# KiCad board SweetBusiness.kicad_pcb (continued)
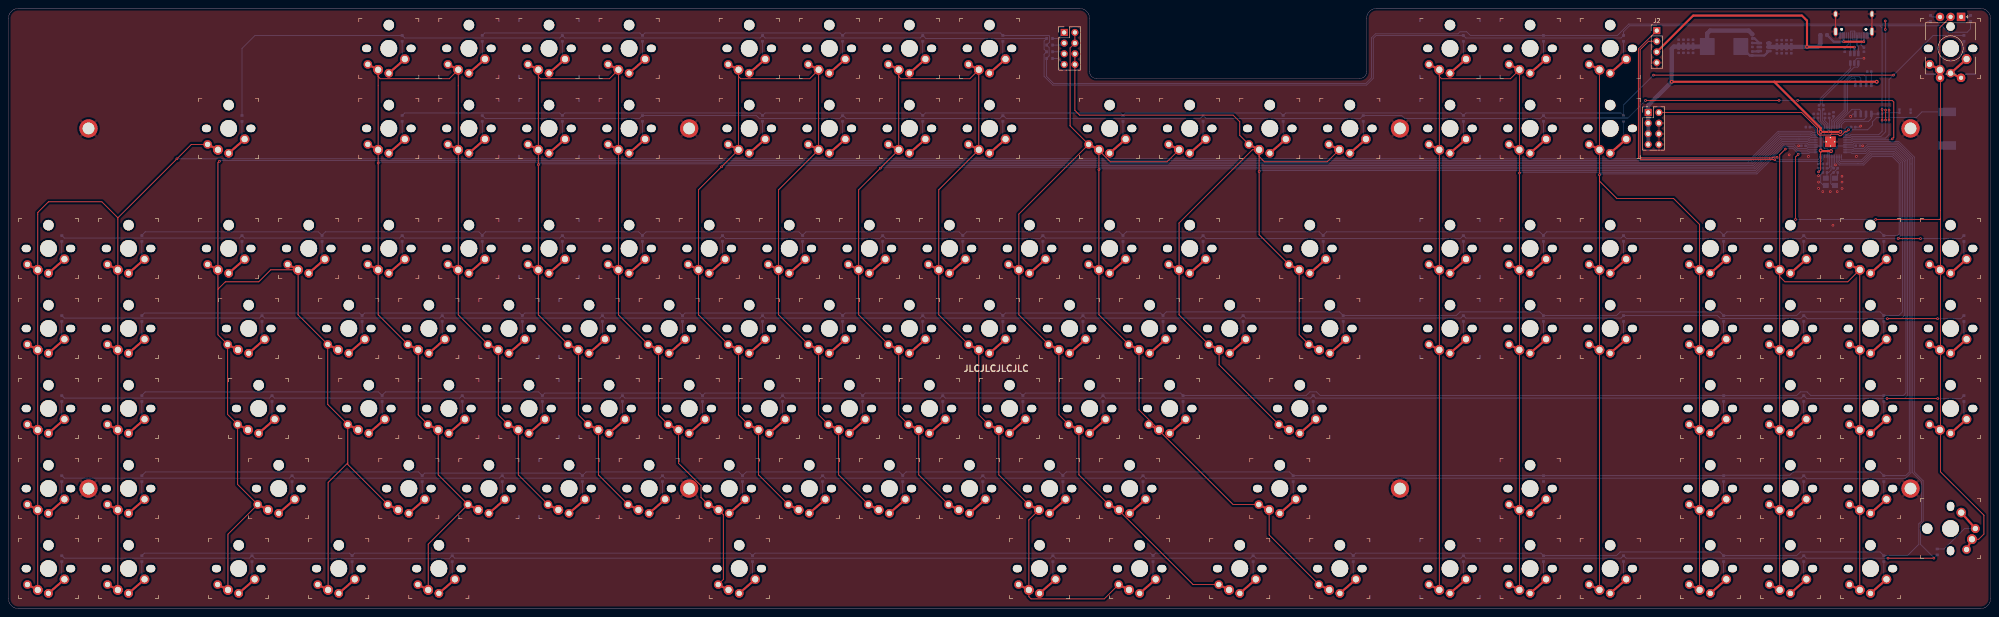
[diagram p0: board, top side]
## Nets
+1V1: C1.1 C2.1 U0.23 U0.45 U0.50
+3V3: C3.1 C4.1 C5.1 C6.1 C7.1 C8.1 C9.1 C10.1 C11.1 CF1.1 CP10.1 CP11.1 CP12.1 CP13.1 CP14.1 CP15.1 CP16.1 CP17.1 J3.1 J3.3 J3.5 J3.7 LP1.2 RP1.1 RR1.1 U0.1 U0.10 U0.22 U0.33 U0.42 U0.43 U0.44 U0.48 U0.49 U2.8
+5v: F1.1 J4.A4 J4.A9 J4.B4 J4.B9
GND: C1.2 C2.2 C3.2 C4.2 C5.2 C6.2 C7.2 C8.2 C9.2 C10.2 C11.2 CF1.2 CP2.1 CP3.1 CP4.1 CP5.1 CP6.1 CP7.1 CP8.1 CP9.1 CP10.2 CP11.2 CP12.2 CP13.2 CP14.2 CP15.2 CP16.2 CP17.2 CX1.2 CX2.1 H1.1 H2.1 H3.1 H4.1 H5.1 H6.1 H7.1 H8.1 J2.4 J3.4 J3.6 J3.8 J4.A1 J4.A12 J4.B1 J4.B12 J4.S1 RC1.1 RC2.2 RP2.2 S1.1 TX1.2 U0.19 U0.57 U1.2 U2.4 U3.2 Y1.2 Y1.4
VBUS: CP2.2 CP3.2 CP4.2 CP5.2 CP6.2 CP7.2 CP8.2 CP9.2 F1.2 J2.3 U1.4 U1.5 U3.5
1: TX1.1 U0.3
2: D1.1 D2.1 D4.1 D6.1 D8.1 D10.1 D12.1 DR2.1 DT1.1 DT3.1 U0.4
3: D3.1 D5.1 D7.1 D9.1 D11.1 DR3.1 DT2.1 DT4.1 U0.5
4: D13.1 D15.1 D17.1 D19.1 D21.1 D23.1 D25.1 D27.1 DR1.1 U0.6
5: D14.1 D16.1 D18.1 D20.1 D22.1 D24.1 D26.1 U0.7
6: D111.1 D113.1 D115.1 D117.1 D119.1 D121.1 D123.1 D125.1 D127.1 U0.8
7: D112.1 D114.1 D116.1 D118.1 D120.1 D122.1 D124.1 D126.1 U0.9
8: D93.1 D95.1 D97.1 D99.1 D101.1 D103.1 D105.1 D109.1 U0.11
9: D94.1 D96.1 D98.1 D100.1 D102.1 D104.1 D106.1 D107.1 D108.1 D110.1 U0.12
10: D74.1 D76.1 D78.1 D80.1 D82.1 D84.1 D86.1 D88.1 D90.1 D92.1 U0.13
11: D75.1 D77.1 D79.1 D81.1 D83.1 D85.1 D87.1 D89.1 D91.1 U0.14
12: D51.1 D53.1 D55.1 D57.1 D59.1 D61.1 D63.1 D65.1 D67.1 D69.1 D71.1 D73.1 U0.15
13: D52.1 D54.1 D56.1 D58.1 D60.1 D62.1 D64.1 D66.1 D68.1 D70.1 D72.1 U0.16
14: D28.1 D30.1 D32.1 D34.1 D36.1 D38.1 D40.1 D42.1 D44.1 D46.1 D48.1 D50.1 U0.17
15: D29.1 D31.1 D33.1 D35.1 D37.1 D39.1 D41.1 D43.1 D45.1 D47.1 D49.1 U0.18
18: K50.1 K73.1 K92.1 K127.1 RX1.1 RX1.C U0.29
19: K48.1 K49.1 K71.1 K72.1 K90.1 K91.1 K109.1 K110.1 K125.1 K126.1 U0.30
20: K12.1 K27.1 K46.1 K47.1 K69.1 K70.1 K89.1 K108.1 K123.1 K124.1 U0.31
21: K10.1 K11.1 K25.1 K26.1 K44.1 K45.1 K67.1 K68.1 K107.1 K121.1 K122.1 U0.32
22: J1.6 J1.8 K23.1 K24.1 K42.1 K43.1 K65.1 K66.1 K88.1 U0.34
23: J1.2 J1.4 K21.1 K22.1 K40.1 K41.1 K63.1 K64.1 K86.1 K87.1 K105.1 K106.1 K119.1 K120.1 U0.35
24: K8.1 K9.1 K19.1 K20.1 K38.1 K39.1 K61.1 K62.1 K84.1 K85.1 K103.1 K104.1 K117.1 K118.1 U0.36
25: K6.1 K7.1 K17.1 K18.1 K36.1 K37.1 K59.1 K60.1 K82.1 K83.1 K101.1 K102.1 U0.37
26/A0: K4.1 K5.1 K15.1 K16.1 K34.1 K35.1 K57.1 K58.1 K80.1 K81.1 K99.1 K100.1 K116.1 U0.38
27/A1: K2.1 K3.1 K13.1 K14.1 K32.1 K33.1 K55.1 K56.1 K78.1 K79.1 K97.1 K98.1 K115.1 U0.39
28/A2: K30.1 K31.1 K53.1 K54.1 K76.1 K77.1 K95.1 K96.1 K113.1 K114.1 U0.40
29/A3: K1.1 K28.1 K29.1 K51.1 K52.1 K74.1 K75.1 K93.1 K94.1 K111.1 K112.1 U0.41
CLOCK: U0.52 U2.6
CS: RF1.1 U0.56 U2.1
D+: J4.A6 J4.B6 U3.6
D-: J4.A7 J4.B7 U3.4
DB+: RD1.1 U3.1
DB-: RD2.1 U3.3
LED: J3.2 U0.2
SCL: J2.2 U0.28
SD0: U0.53 U2.5
SD1: U0.55 U2.2
SD2: U0.54 U2.3
SD3: U0.51 U2.7
SDA: J2.1 U0.27
XTAL+: CX1.1 U0.21 Y1.3
XTAL-: RX2.1 U0.20
Net-(CP1-Pad1): CP1.1 U1.1
Net-(CP1-Pad2): CP1.2 LP1.1 U1.6
Net-(CX2-Pad2): CX2.2 RX2.2 Y1.1
Net-(D1-Pad2): D1.2 K1.2
Net-(D2-Pad2): D2.2 K2.2
Net-(D3-Pad2): D3.2 K3.2
Net-(D4-Pad2): D4.2 K4.2
Net-(D5-Pad2): D5.2 K5.2
Net-(D6-Pad2): D6.2 K6.2
Net-(D7-Pad2): D7.2 K7.2
Net-(D8-Pad2): D8.2 K8.2
Net-(D9-Pad2): D9.2 K9.2
Net-(D10-Pad2): D10.2 K10.2
Net-(D11-Pad2): D11.2 K11.2
Net-(D12-Pad2): D12.2 K12.2
Net-(D13-Pad2): D13.2 K13.2
Net-(D14-Pad2): D14.2 K14.2
Net-(D15-Pad2): D15.2 K15.2
Net-(D16-Pad2): D16.2 K16.2
Net-(D17-Pad2): D17.2 K17.2
Net-(D18-Pad2): D18.2 K18.2
Net-(D19-Pad2): D19.2 K19.2
Net-(D20-Pad2): D20.2 K20.2
Net-(D21-Pad2): D21.2 K21.2
Net-(D22-Pad2): D22.2 K22.2
Net-(D23-Pad2): D23.2 K23.2
Net-(D24-Pad2): D24.2 K24.2
Net-(D25-Pad2): D25.2 K25.2
Net-(D26-Pad2): D26.2 K26.2
Net-(D27-Pad2): D27.2 K27.2
Net-(D28-Pad2): D28.2 K28.2
Net-(D29-Pad2): D29.2 K29.2
Net-(D30-Pad2): D30.2 K30.2
Net-(D31-Pad2): D31.2 K31.2
Net-(D32-Pad2): D32.2 K32.2
Net-(D33-Pad2): D33.2 K33.2
Net-(D34-Pad2): D34.2 K34.2
Net-(D35-Pad2): D35.2 K35.2
Net-(D36-Pad2): D36.2 K36.2
Net-(D37-Pad2): D37.2 K37.2
Net-(D38-Pad2): D38.2 K38.2
Net-(D39-Pad2): D39.2 K39.2
Net-(D40-Pad2): D40.2 K40.2
Net-(D41-Pad2): D41.2 K41.2
Net-(D42-Pad2): D42.2 K42.2
Net-(D43-Pad2): D43.2 K43.2
Net-(D44-Pad2): D44.2 K44.2
Net-(D45-Pad2): D45.2 K45.2
Net-(D46-Pad2): D46.2 K46.2
Net-(D47-Pad2): D47.2 K47.2
Net-(D48-Pad2): D48.2 K48.2
Net-(D49-Pad2): D49.2 K49.2
Net-(D50-Pad2): D50.2 K50.2
Net-(D51-Pad2): D51.2 K51.2
Net-(D52-Pad2): D52.2 K52.2
Net-(D53-Pad2): D53.2 K53.2
Net-(D54-Pad2): D54.2 K54.2
Net-(D55-Pad2): D55.2 K55.2
Net-(D56-Pad2): D56.2 K56.2
Net-(D57-Pad2): D57.2 K57.2
Net-(D58-Pad2): D58.2 K58.2
Net-(D59-Pad2): D59.2 K59.2
Net-(D60-Pad2): D60.2 K60.2
Net-(D61-Pad2): D61.2 K61.2
Net-(D62-Pad2): D62.2 K62.2
Net-(D63-Pad2): D63.2 K63.2
Net-(D64-Pad2): D64.2 K64.2
Net-(D65-Pad2): D65.2 K65.2
Net-(D66-Pad2): D66.2 K66.2
Net-(D67-Pad2): D67.2 K67.2
Net-(D68-Pad2): D68.2 K68.2
Net-(D69-Pad2): D69.2 K69.2
Net-(D70-Pad2): D70.2 K70.2
Net-(D71-Pad2): D71.2 K71.2
Net-(D72-Pad2): D72.2 K72.2
Net-(D73-Pad2): D73.2 K73.2
Net-(D74-Pad2): D74.2 K74.2
Net-(D75-Pad2): D75.2 K75.2
Net-(D76-Pad2): D76.2 K76.2
Net-(D77-Pad2): D77.2 K77.2
Net-(D78-Pad2): D78.2 K78.2
Net-(D79-Pad2): D79.2 K79.2
Net-(D80-Pad2): D80.2 K80.2
Net-(D81-Pad2): D81.2 K81.2
Net-(D82-Pad2): D82.2 K82.2
Net-(D83-Pad2): D83.2 K83.2
Net-(D84-Pad2): D84.2 K84.2
Net-(D85-Pad2): D85.2 K85.2
Net-(D86-Pad2): D86.2 K86.2
Net-(D87-Pad2): D87.2 K87.2
Net-(D88-Pad2): D88.2 K88.2
Net-(D89-Pad2): D89.2 K89.2
Net-(D90-Pad2): D90.2 K90.2
Net-(D91-Pad2): D91.2 K91.2
Net-(D92-Pad2): D92.2 K92.2
Net-(D93-Pad2): D93.2 K93.2
Net-(D94-Pad2): D94.2 K94.2
Net-(D95-Pad2): D95.2 K95.2
Net-(D96-Pad2): D96.2 K96.2
Net-(D97-Pad2): D97.2 K97.2
Net-(D98-Pad2): D98.2 K98.2
Net-(D99-Pad2): D99.2 K99.2
Net-(D100-Pad2): D100.2 K100.2
Net-(D101-Pad2): D101.2 K101.2
Net-(D102-Pad2): D102.2 K102.2
Net-(D103-Pad2): D103.2 K103.2
Net-(D104-Pad2): D104.2 K104.2
Net-(D105-Pad2): D105.2 K105.2
Net-(D106-Pad2): D106.2 K106.2
Net-(D107-Pad2): D107.2 K107.2
Net-(D108-Pad2): D108.2 K108.2
Net-(D109-Pad2): D109.2 K109.2
Net-(D110-Pad2): D110.2 K110.2
Net-(D111-Pad2): D111.2 K111.2
Net-(D112-Pad2): D112.2 K112.2
Net-(D113-Pad2): D113.2 K113.2
Net-(D114-Pad2): D114.2 K114.2
Net-(D115-Pad2): D115.2 K115.2
Net-(D116-Pad2): D116.2 K116.2
Net-(D117-Pad2): D117.2 K117.2
Net-(D118-Pad2): D118.2 K118.2
Net-(D119-Pad2): D119.2 K119.2
Net-(D120-Pad2): D120.2 K120.2
Net-(D121-Pad2): D121.2 K121.2
Net-(D122-Pad2): D122.2 K122.2
Net-(D123-Pad2): D123.2 K123.2
Net-(D124-Pad2): D124.2 K124.2
Net-(D125-Pad2): D125.2 K125.2
Net-(D126-Pad2): D126.2 K126.2
Net-(D127-Pad2): D127.2 K127.2
Net-(DR1-Pad2): DR1.2 RX1.2
Net-(DR2-Pad2): DR2.2 RX1.A
Net-(DR3-Pad2): DR3.2 RX1.B
Net-(DT1-Pad2): DT1.2 J1.1
Net-(DT2-Pad2): DT2.2 J1.3
Net-(DT3-Pad2): DT3.2 J1.5
Net-(DT4-Pad2): DT4.2 J1.7
Net-(J4-PadA5): J4.A5 RC2.1
Net-(J4-PadB5): J4.B5 RC1.2
Net-(RD1-Pad2): RD1.2 U0.47
Net-(RD2-Pad2): RD2.2 U0.46
Net-(RF1-Pad2): RF1.2 S1.2
Net-(RP1-Pad2): RP1.2 RP2.1 U1.3
Net-(RR1-Pad2): RR1.2 U0.26

Pads without a net: J4 A8 B8; U0 24 25

## Via types
v1: diameter 0.6, hole 0.3, Top to Bottom, 63 vias
v2: diameter 0.9, hole 0.45, Top to Bottom, 7 vias

## Routing (per net, layer and track width the routed paths; a pad name or vN(x,y) marks a point on that pad's centre or on a via; arc(x,y) is an arc through that point)
+1V1: length 16.4
  Bottom w0.2: C1.1 432.79,106.07 U0.23 432.79,109.34 432.59,109.54 431.96,109.54 431.81,109.68 431.81,112.6 431.91,112.7 ; U0.45 431.59,114.03 ; 431.59,114.03 431.91,113.71 431.91,112.7 ; 431.59,114.03 431.81,113.81 ; 431.91,112.7 433.44,112.7 433.46,112.71 433.47,112.7 433.59,112.82 U0.50 433.59,116.27 434.12,116.8 C2.1
+3V3: length 173.4
  Top w0.2: v2(431.06,109.02) 431.07,109.02 431.07,104.46 v1(430.56,103.95)
  Top w0.5: v2(433.54,108.9) 431.07,108.9 431.06,108.91 v2(431.06,109.02) ; 420.02,125.41 431.06,114.37 v2(431.06,113.47) v1(432.97,113.47) 435.74,113.47 v2(435.75,113.48) ; 420.02,125.41 v2(395.64,125.41) ; 420.02,125.41 v2(444.4,125.41)
  Bottom w0.2: U2.8 443.13,127.8 CF1.1 ; C10.1 437.29,114.62 436.82,114.15 U0.1 435.99,113.73 v2(435.75,113.48) ; v2(431.06,113.47) 430.79,113.75 U0.43 430.79,115.15 429.42,116.52 429.42,116.8 ; v2(431.06,113.47) 430.81,113.73 U0.42 429.95,114.09 429.42,114.62 C4.1 ; v2(431.06,113.47) 431.19,113.6 U0.44 431.19,115.33 430.43,116.08 430.43,116.8 ; 433.1,116.8 433.19,116.71 U0.49 433.19,113.69 v1(432.97,113.47) 432.79,113.66 U0.48 432.79,115.42 432.01,116.2 432.01,116.73 432.09,116.8 ; v1(430.56,103.95) RR1.1 ; C3.1 432.97,104.84 433.15,105.01 433.15,105.52 433.19,105.56 U0.22 433.19,108.55 v2(433.54,108.9) 433.54,109.21 433.88,109.55 434.89,109.55 434.96,109.62 434.96,110 435.09,110.12 U0.10 439.4,110.12 C9.1 ; C11.1 427.51,110.12 U0.33 430.74,110.12 431.06,109.8 v2(431.06,109.02)
  Bottom w0.5: U2.8 443.6,125.41 v2(444.4,125.41) ; v2(431.06,113.47) v2(431.06,109.02) ; RP1.1 414.81,136.72
  Bottom w1: J3.7 390.04,119.82 v2(395.64,125.41) 395.64,133.29 396.14,133.79 LP1.2 404.08,136.91 404.78,137.6 413.92,137.6 414.81,136.72
+5v: length 12.5
  Top w0.5: v1(441.32,134.94) v1(436.56,134.94)
  Bottom w0.5: 436.49,136.45 436.49,135.01 v1(436.56,134.94) 434.18,134.94 F1.1 ; J4.A9 441.39,135.01 v1(441.32,134.94)
GND: length 28.3
  Top w0.2: J4.S1 J4.S1 ; J4.S1 J4.S1
  Bottom w0.2: v1(440.59,114.87) 440.34,114.62 C10.2 ; CX2.1 435.11,103.07 Y1.4 ; v1(441.36,131) 439.71,131 439.07,130.37 U3.2 ; J4.S1 442.35,136.45 J4.A12 ; J4.A1 434.78,137.36 J4.S1 ; Y1.2 431.73,100.75 431.07,101.41 431.07,103.29 CX1.2 C1.2 ; v1(434.59,105.62) 434.39,105.82 U0.19 ; U2.4 438.77,117.75 v1(438.18,117.16) ; C11.2 v1(425.84,110.17) ; 440.42,110.17 v1(441.08,110.17)
  vias: v1(423.58,108.01) v1(428.15,107.63) v1(430.56,103.06) v1(430.56,101.54) v1(430.56,100.01) v1(431.58,99.25) v1(433.36,99.25) v1(433.99,91.25) v1(435.01,99.25) v1(436.15,102.93) v1(436.15,101.54) v1(436.15,100.01) v1(439.58,107.63)
VBUS: length 74.5
  Top w0.5: J2.3 400.73,141.16 426.62,141.16 427.82,139.97 v2(427.82,133.72) 427.87,133.67 v1(439.07,133.67)
  Bottom w0.5: v1(439.07,133.67) U3.5
  Bottom w1: F1.2 431.01,134.37 430.36,133.72 v2(427.82,133.72) 418.75,133.72 U1.4
1: length 27
  Bottom w0.2: U0.3 437.52,112.93 438.58,113.98 442.25,113.98 443.39,115.13 443.39,115.89 444.4,116.9 453.8,116.9 455.14,118.24 TX1.1
2: length 491.3
  Top w0.2: v1(445.67,116.27) v1(445.67,118.81)
  Bottom w0.2: v1(445.67,118.81) 445.67,138.24 445.17,138.74 ; D1.1 55.56,133.35 58.64,136.43 D2.1 94.26,135.83 131.16,135.83 D4.1 132.36,135.83 178.79,135.83 D6.1 179.99,135.83 216.89,135.83 D8.1 218.19,135.73 DT1.1 246.35,135.13 246.35,133.16 DT3.1 246.35,131.96 246.35,126.71 248.44,124.62 323.06,124.62 324.64,126.21 324.64,135.73 325.34,136.43 D10.1 346.67,135.83 383.58,135.83 D12.1 384.18,137.32 385.6,138.74 445.17,138.74 ; 445.17,138.74 459.86,138.74 461.4,137.2 465.91,137.2 466.73,138.02 DR2.1 ; U0.4 437.96,112.53 438.24,112.81 444.88,112.81 445.67,113.6 v1(445.67,116.27)
3: length 407.8
  Top w0.2: v1(446.44,137.86) v1(446.44,139.89) ; v1(446.53,116.3) v1(446.53,118.68)
  Bottom w0.2: 446.71,139.14 385.43,139.14 382.72,136.43 D11.1 347.76,136.43 346.87,137.32 345.28,137.32 344.79,136.83 325.18,136.83 324.24,135.9 324.24,126.37 322.89,125.02 248.61,125.02 246.95,126.68 DT4.1 247.55,131.57 247.55,133.54 DT2.1 247.65,134.84 247.65,136.28 247.5,136.43 D9.1 235.94,137.03 199.04,137.03 D7.1 197.84,137.03 151.41,137.03 D5.1 150.21,137.03 113.31,137.03 D3.1 ; 446.71,139.14 455.85,139.14 456.5,139.79 DR3.1 ; 446.71,139.14 446.44,139.41 v1(446.44,139.89) ; v1(446.44,137.86) 446.53,137.77 v1(446.53,118.68) ; U0.5 438.13,112.12 438.41,112.41 445.42,112.41 446.53,113.51 v1(446.53,116.3)
4: length 409.9
  Top w0.2: v1(447.33,118.68) v1(447.33,116.3) ; v1(448.4,127) 448.4,127 v1(391.32,127)
  Bottom w0.2: D13.1 94.26,117.98 131.16,117.98 D15.1 132.36,117.98 178.79,117.98 D17.1 179.99,117.98 216.89,117.98 D19.1 218.09,117.98 264.51,117.98 D21.1 265.71,117.98 302.61,117.98 D23.1 303.81,117.98 345.48,117.98 D25.1 346.67,117.98 383.58,117.98 D27.1 384.18,119.86 v1(391.32,127) ; DR1.1 457.83,136.43 v1(448.4,127) 447.33,125.93 v1(447.33,118.68) ; U0.6 438.29,111.73 438.57,112.01 446.49,112.01 447.33,112.84 v1(447.33,116.3)
5: length 361.8
  Top w0.2: v1(448.09,111.81) 448.47,112.19 448.47,120.59 448.09,120.97 v1(425.61,120.97) ; v1(389.41,120.97) v1(421.16,120.97)
  Bottom w0.2: v1(421.16,120.97) v1(425.61,120.97) ; v1(448.09,111.81) 447.89,111.61 438.74,111.61 438.46,111.33 U0.7 ; D14.1 113.41,116.68 150.11,116.68 D16.1 177.89,117.38 178.59,116.68 197.74,116.68 D18.1 198.53,117.38 199.23,116.68 235.84,116.68 D20.1 236.63,117.38 237.37,116.64 283.42,116.64 D22.1 284.86,116.68 321.56,116.68 D24.1 331.41,117.38 332.11,116.68 364.43,116.68 D26.1 365.72,116.78 385.23,116.78 v1(389.41,120.97)
6: length 566.4
  Top w0.2: v1(458,12.01) v1(447.08,12.01)
  Bottom w0.2: D111.1 13.3,12.01 57.34,12.01 D113.1 58.68,11.87 104.83,11.87 D115.1 106.17,12.01 247.84,12.01 D117.1 249.04,12.01 295.47,12.01 D119.1 296.16,12.61 296.76,12.01 345.48,12.01 D121.1 346.67,12.01 383.58,12.01 D123.1 384.77,12.01 426.44,12.01 D125.1 427.64,12.01 v1(447.08,12.01) ; D127.1 v1(458,12.01) 458,12.12 454.81,15.32 454.81,20.01 455.45,20.66 455.45,30.42 453.35,32.52 453.35,107.48 449.62,111.21 438.91,111.21 438.62,110.93 U0.8
7: length 538.6
  Bottom w0.2: D112.1 32.35,13.21 81.16,13.21 D114.1 82.36,13.21 176.41,13.21 D116.1 177.61,13.21 271.66,13.21 D118.1 272.86,13.21 319.28,13.21 D120.1 320.48,13.21 364.53,13.21 D122.1 382.49,12.61 383.38,13.49 383.39,13.48 407.11,13.48 D124.1 425.36,12.61 426.24,13.49 426.26,13.48 445.21,13.48 D126.1 451.71,12.61 454.41,15.3 454.41,20.18 455.05,20.83 455.05,30.25 452.95,32.36 452.95,107.31 449.45,110.81 439.07,110.81 438.79,110.53 U0.9
8: length 536.7
  Bottom w0.2: D93.1 13.3,31.06 66.87,31.06 D95.1 68.07,31.06 116.78,31.06 117.47,31.75 D97.1 118.07,31.06 154.98,31.06 D99.1 156.17,31.06 193.08,31.06 D101.1 194.27,31.06 231.18,31.06 D103.1 232.37,31.06 269.28,31.06 D105.1 270.57,30.96 270.67,31.05 426.43,31.05 D109.1 427.77,30.92 451.14,30.92 452.55,32.34 452.55,107.15 449.29,110.41 442.16,110.41 441.31,109.55 439.06,109.55 438.88,109.73 U0.11
9: length 517.2
  Bottom w0.2: D94.1 32.63,32.53 97.55,32.53 D96.1 99.02,32.26 135.93,32.26 D98.1 137.4,32.53 173.75,32.53 D100.1 175.5,32.53 211.94,32.53 212.73,31.75 ; U0.12 438.72,109.33 438.89,109.15 441.47,109.15 442.33,110.01 449.12,110.01 452.15,106.98 452.15,32.5 451.3,31.66 D110.1 445.21,32.53 424.55,32.53 424.54,32.54 423.74,31.75 407.99,31.75 D108.1 D107.1 D106.1 304.72,32.53 251.63,32.53 251.62,32.54 250.82,31.75 D104.1 249.95,32.53 213.53,32.53 213.52,32.54 212.73,31.75 ; 212.73,31.75 D102.1
10: length 534.8
  Top w0.2: v1(458.91,50.01) v1(446.85,50.01)
  Bottom w0.2: D92.1 464.44,50.01 v1(458.91,50.01) ; D74.1 13.3,50.11 62.11,50.11 D76.1 63.31,50.11 107.35,50.11 D78.1 108.55,50.11 145.45,50.11 D80.1 146.65,50.11 183.55,50.11 D82.1 184.75,50.11 221.65,50.11 D84.1 222.85,50.11 259.75,50.11 D86.1 260.95,50.11 309.76,50.11 D88.1 310.96,50.11 426.44,50.11 D90.1 427.74,50.01 v1(446.85,50.01) 451,50.01 451.75,50.76 451.75,106.82 448.96,109.61 442.49,109.61 441.64,108.75 438.72,108.75 438.55,108.93 U0.13
11: length 496.2
  Bottom w0.2: D75.1 31.75,50.8 32.54,51.59 32.56,51.58 88.02,51.58 D77.1 88.9,50.8 89.69,51.59 89.71,51.58 126.12,51.58 D79.1 127.6,51.31 164.5,51.31 D81.1 165.7,51.31 202.6,51.31 D83.1 203.8,51.31 240.7,51.31 D85.1 241.9,51.31 278.8,51.31 D87.1 308.68,50.71 309.56,51.59 311.15,51.59 312.04,50.71 D89.1 425.36,50.71 426.24,51.59 427.83,51.59 428.72,50.71 D91.1 450.72,50.71 451.35,51.33 451.35,106.65 448.79,109.21 442.66,109.21 441.8,108.35 438.48,108.35 438.31,108.53 U0.14
12: length 516.7
  Top w0.2: v1(458.88,69.02) v1(446.94,69.02)
  Bottom w0.2: D51.1 13.3,69.16 59.73,69.16 D53.1 60.92,69.16 102.59,69.16 D55.1 103.79,69.16 140.69,69.16 D57.1 141.89,69.16 178.79,69.16 D59.1 179.99,69.16 216.89,69.16 D61.1 218.09,69.16 254.99,69.16 D63.1 256.19,69.16 293.09,69.16 D65.1 294.29,69.16 345.48,69.16 D67.1 346.67,69.16 383.58,69.16 D69.1 406.49,69.76 407.19,69.06 426.34,69.06 D71.1 427.13,69.76 427.87,69.02 v1(446.94,69.02) 446.94,69.02 450.25,69.02 450.95,69.73 450.95,106.49 448.63,108.81 442.83,108.81 440.81,106.8 436.09,106.8 435.99,106.91 U0.15 ; v1(458.88,69.02) 464.4,69.02 D73.1
13: length 478.6
  Bottom w0.2: U0.16 435.59,106.66 435.85,106.4 440.98,106.4 442.99,108.41 448.46,108.41 450.55,106.32 450.55,70.68 449.63,69.76 D72.1 445.21,70.63 426.26,70.63 426.24,70.64 425.36,69.76 D70.1 407.11,70.63 383.39,70.63 383.38,70.64 382.49,69.76 D68.1 364.25,70.63 345.29,70.63 345.28,70.64 344.39,69.76 D66.1 316.62,70.63 275.42,70.63 274.64,69.85 D64.1 274.04,70.36 237.14,70.36 D62.1 235.94,70.36 199.04,70.36 D60.1 197.84,70.36 160.94,70.36 D58.1 159.74,70.36 122.84,70.36 D56.1 121.64,70.36 84.74,70.36 D54.1 83.54,70.36 32.35,70.36 D52.1
14: length 494.6
  Top w0.2: v1(449.52,88.11) 449.55,88.07 v1(454.82,88.07)
  Bottom w0.2: U0.17 435.19,106.49 435.68,106 441.15,106 443.16,108.01 448.3,108.01 450.15,106.15 450.15,88.74 v1(449.52,88.11) 427.74,88.11 D48.1 426.34,88.11 384.88,88.11 D46.1 383.58,88.21 346.67,88.21 D44.1 345.38,88.11 284.86,88.11 D42.1 283.56,88.21 246.66,88.21 D40.1 245.36,88.11 208.66,88.11 D38.1 207.26,88.11 170.56,88.11 D36.1 169.26,88.21 132.36,88.21 D34.1 131.16,88.21 94.26,88.21 D32.1 93.06,88.21 56.16,88.21 D30.1 54.96,88.21 13.3,88.21 D28.1 ; v1(454.82,88.07) 454.85,88.11 464.44,88.11 D50.1
15: length 460.7
  Bottom w0.2: 112.71,88.9 D33.1 ; 112.71,88.9 111.93,89.68 75.42,89.68 75.41,89.69 74.61,88.9 D31.1 73.74,89.68 32.56,89.68 32.54,89.69 31.75,88.9 D29.1 ; 112.71,88.9 113.51,89.69 113.52,89.68 149.94,89.68 D35.1 151.69,89.68 188.04,89.68 D37.1 188.91,88.9 189.69,89.68 226.14,89.68 D39.1 227.89,89.68 264.24,89.68 D41.1 265.11,88.9 265.91,89.69 265.92,89.68 311.86,89.68 D43.1 312.74,88.9 313.53,89.69 313.54,89.68 364.25,89.68 D45.1 365.12,88.9 365.92,89.69 365.93,89.68 407.21,89.68 407.99,88.9 ; 407.99,88.9 D47.1 ; 407.99,88.9 408.78,89.69 408.79,89.68 445.21,89.68 D49.1 449.33,88.81 449.75,89.23 449.75,105.99 448.13,107.61 443.32,107.61 441.31,105.6 435.51,105.6 434.79,106.33 U0.18
18: length 184.6
  Top w0.2: 459.58,92.84 459.58,32.54 469.9,22.23 469.9,17.75 468.66,16.51 K127.1 ; 459.58,92.84 459.39,92.65 v1(444.15,92.65) ; 459.58,92.84 459.58,126.23 RX1.1 ; RX1.1 459.42,138.31 RX1.C ; v1(425.1,92.65) 425.1,107.51 v1(425.71,108.12)
  Bottom w0.2: U0.29 428.47,108.53 428.26,108.32 425.91,108.32 v1(425.71,108.12) ; v1(444.15,92.65) v1(425.1,92.65)
19: length 211.9
  Top w0.2: v1(422.68,109.39) 421.32,108.04 K48.1 ; K48.1 421.32,79.03 422.56,77.79 437.51,77.79 K49.1 K126.1 ; K48.1 K125.1
  Bottom w0.2: v1(422.68,109.39) 422.68,109.4 422.87,109.59 424.44,109.59 425.31,108.72 428.1,108.72 428.3,108.93 U0.30
20: length 294.9
  Top w0.2: 378.46,103.03 K123.1 ; 378.46,103.03 K12.1 ; 378.46,103.03 378.46,101.76 382.59,97.63 396.08,97.63 402.27,91.44 K47.1 K124.1
  Bottom w0.2: U0.31 428.14,109.33 427.93,109.12 425.48,109.12 424.6,109.99 422.4,109.99 415.89,103.48 378.66,103.48 v1(378.46,103.28)
21: length 343.2
  Top w0.2: K122.1 K26.1 K11.1 357.27,126.13 340.88,126.13 340.36,126.65 K10.1 K121.1
  Bottom w0.2: v1(359.41,103.68) 359.61,103.88 415.72,103.88 422.23,110.39 424.77,110.39 425.64,109.52 427.77,109.52 427.97,109.73 U0.32
22: length 348.5
  Top w0.2: K23.1 297.5,107.6 298.74,106.36 313.69,106.36 K24.1 ; K23.1 v1(297.5,104.04) 297.5,88.99 K43.1 ; K23.1 295.88,109.22 278.45,91.79 K42.1 278.45,69.94 K65.1 ; K88.1 287.97,58.03 K65.1 ; K43.1 307.02,65.18 K66.1 ; J1.6 J1.8 253.68,118.59 254.79,117.48 291.31,117.48 292.89,115.89 292.89,112.64 K23.1
  Bottom w0.2: U0.34 428.07,110.53 427.8,110.79 422.07,110.79 415.56,104.28 297.73,104.28 v1(297.5,104.04)
23: length 476.7
  Top w0.2: K64.1 268.92,47.31 K87.1 273.69,42.4 291.31,24.78 K106.1 ; K63.1 249.87,46.13 K86.1 ; K106.1 299.88,17.55 K120.1 ; K22.1 275.59,106.36 262.11,106.36 259.4,109.08 K21.1 K41.1 259.4,69.94 K64.1 ; K105.1 254.63,31.84 K86.1 ; K63.1 240.35,69.94 K40.1 240.35,93.91 K21.1 252.53,114.91 252.53,133.46 J1.4 J1.2 ; K105.1 264.16,23.35 281.79,5.73 K119.1
  Bottom w0.2: 425.99,111.19 425.3,111.19 ; 425.99,111.19 425.3,111.19 ; 425.99,111.19 427.96,111.19 428.23,110.93 U0.35 ; 425.3,111.19 421.9,111.19 415.39,104.68 259.6,104.68 v1(259.4,104.48)
24: length 515.2
  Top w0.2: K61.1 211.77,46.13 K84.1 ; K104.1 242.73,21.11 K117.1 242.73,2.83 243.25,2.31 260.67,2.31 K118.1 ; K85.1 230.82,46.13 K62.1 ; K84.1 216.54,31.84 K103.1 ; K85.1 235.58,31.84 K104.1 ; K61.1 202.25,69.94 K38.1 202.25,99.7 v1(207.41,104.85) K19.1 K8.1 211.77,126.65 212.29,126.13 228.69,126.13 K9.1 K20.1 221.3,99.7 K39.1 221.3,69.94 K62.1
  Bottom w0.2: U0.36 428.4,111.33 428.13,111.59 421.74,111.59 415.23,105.08 207.63,105.08 v1(207.41,104.85)
25: length 508.4
  Top w0.2: K59.1 173.67,46.13 K82.1 ; K82.1 178.44,31.84 K101.1 ; K83.1 197.49,31.84 K102.1 ; K59.1 164.15,69.94 K36.1 164.15,99.7 v1(169.62,105.17) K17.1 K6.1 173.67,126.65 174.19,126.13 190.59,126.13 K7.1 K18.1 183.2,99.7 K37.1 183.2,69.94 K60.1 ; K60.1 192.72,46.13 K83.1
  Bottom w0.2: U0.37 428.56,111.73 428.3,111.99 421.57,111.99 415.06,105.48 169.93,105.48 v1(169.62,105.17)
26/A0: length 562.8
  Top w0.2: K58.1 145.1,69.94 K35.1 K5.1 142.96,126.13 126.57,126.13 126.05,126.65 K4.1 K34.1 126.05,69.94 K57.1 ; K81.1 154.62,46.13 K58.1 ; K99.1 140.34,31.84 K80.1 ; K100.1 164.74,26.48 164.74,29.26 159.38,34.61 K81.1 ; K116.1 170.05,6.95 170.05,22.35 K100.1 ; K80.1 135.57,46.13 K57.1
  Bottom w0.2: U0.38 428.73,112.12 428.46,112.39 421.41,112.39 414.89,105.88 126.25,105.88 v1(126.05,105.68)
27/A1: length 606.4
  Top w0.2: K79.1 116.52,46.13 K56.1 ; K55.1 87.95,69.94 K32.1 K2.1 87.95,126.65 88.47,126.13 104.86,126.13 K3.1 K33.1 107,69.94 K56.1 ; 99.85,4.44 99.85,15.33 K97.1 102.24,31.84 K78.1 ; K78.1 97.47,46.13 K55.1 ; K98.1 121.28,31.84 K79.1
  Bottom w0.2: v1(87.95,106.08) 88.15,106.28 413.84,106.28 414.73,106.28 421.24,112.79 428.63,112.79 428.89,112.53 U0.39
28/A2: length 609.5
  Top w0.2: v1(50.2,106.48) 49.85,106.13 K30.1 49.85,76.04 ; 80.72,34.69 76.04,30 K114.1 ; 80.72,34.69 80.72,34.3 K96.1 ; 80.72,34.69 K77.1 75.96,48.59 K54.1 68.9,69.94 K31.1 62.39,80.65 59.53,77.79 51.59,77.79 49.85,76.04 ; 49.85,76.04 49.85,65.18 K53.1 52.15,46.21 K76.1 54.53,29.54 K95.1 52.23,17.71 K113.1
  Bottom w0.2: v1(50.2,106.48) 50.4,106.68 414.55,106.68 421.09,113.22 428.76,113.22 429.06,112.93 U0.40
29/A3: length 621.4
  Top w0.2: K112.1 26.03,93.03 ; K111.1 6.98,94.3 9.53,96.84 22.22,96.84 26.03,93.03 ; 26.03,93.03 v1(40.08,107.08) 43.51,110.5 K1.1
  Bottom w0.2: v1(40.08,107.08) 414.39,107.08 420.93,113.62 428.93,113.62 429.22,113.33 U0.41
CLOCK: length 17.5
  Bottom w0.2: U2.6 440.59,126.3 440.23,126.66 438.35,126.66 437.06,125.37 437.06,118.52 434.39,115.85 U0.52
CS: length 11
  Bottom w0.2: RF1.1 444.64,117.75 U2.1 443.13,116.65 442.48,116 436.8,116 435.99,115.19 U0.56
D+: length 7.5
  Bottom w0.2: U3.6 440.09,132.2 440.09,133.67 439.69,134.06 J4.B6 439.69,135.47 439.64,135.42 438.74,135.42 438.69,135.47 J4.A6
D-: length 7.3
  Bottom w0.2: U3.4 438.12,134.75 438.19,134.82 J4.B7 438.19,137.42 438.24,137.47 439.14,137.47 439.19,137.42 J4.A7
DB+: length 14.3
  Bottom w0.2: U3.1 440.09,129.8 440.09,129.1 439.89,128.9 439.06,128.9 431.42,121.26 431.42,120.08 431.7,119.8
DB-: length 13.1
  Bottom w0.2: U3.3 438.12,128.6 430.97,121.45 430.97,120.08 430.69,119.8
LED: length 50.2
  Top w0.2: v1(437.71,114) 437.31,113.6 436.93,113.6 435.9,112.57 435.53,112.57 435.18,112.92 433.57,112.92 433.37,112.72 430.75,112.72 430.31,113.16 430.31,114.34 426.56,118.1 J3.2
  Bottom w0.2: v1(437.71,114) 437.71,113.68 437.36,113.33 U0.2
SCL: length 74.1
  Top w0.2: v1(420.7,107.45) 420.68,107.47 419.71,107.47 419.51,107.27 388.45,107.27 388.11,107.62 388.11,133.06 390.11,135.05 J2.2
  Bottom w0.2: v1(420.7,107.45) 421.32,106.83 430.43,106.83 430.79,107.19 U0.28
SD0: length 15.3
  Bottom w0.2: U2.5 439.32,126.14 439.2,126.26 438.51,126.26 437.46,125.21 437.46,118.35 434.79,115.68 U0.53
SD1: length 8.6
  Bottom w0.2: U0.55 435.59,115.35 436.63,116.4 441.36,116.4 441.86,116.9 U2.2
SD2: length 8.7
  Bottom w0.2: U2.3 440.59,118.55 440.3,118.85 438.52,118.85 435.19,115.52 U0.54
SD3: length 19.7
  Bottom w0.2: U2.7 441.86,126.56 441.36,127.06 438.18,127.06 436.66,125.54 436.66,118.68 433.99,116.01 U0.51
SDA: length 76.8
  Top w0.2: J2.1 387.71,133.22 387.71,107.45 388.29,106.87 v1(420.15,106.87)
  Bottom w0.2: v1(420.15,106.87) 420.59,106.43 430.59,106.43 431.19,107.02 U0.27
XTAL+: length 6
  Bottom w0.2: Y1.3 432.57,102.73 CX1.1 432.97,103.82 433.55,104.39 433.55,105.28 433.59,105.32 U0.21
XTAL-: length 2.9
  Bottom w0.2: U0.20 433.99,104.99 RX2.1
Net-(CP1-Pad1): length 1.7
  Bottom w0.5: 416.47,132.72 416.38,132.63 CP1.1
Net-(CP1-Pad2): length 8
  Bottom w0.5: LP1.1 414.22,131.66 CP1.2 417.69,131.66 418.75,132.72
Net-(CX2-Pad2): length 5.6
  Bottom w0.2: RX2.2 435.11,104.79 CX2.2 433.96,103.82 433.49,103.35 433.49,101.15 433.89,100.75 Y1.1
Net-(D1-Pad2): length 4.5
  Bottom w0.2: D1.2 55.56,112.4 K1.2
Net-(D2-Pad2): length 4.5
  Bottom w0.2: K2.2 93.66,131.45 D2.2
Net-(D3-Pad2): length 4.5
  Bottom w0.2: D3.2 112.71,131.45 K3.2
Net-(D4-Pad2): length 4.5
  Bottom w0.2: D4.2 131.76,131.45 K4.2
Net-(D5-Pad2): length 4.5
  Bottom w0.2: K5.2 150.81,131.45 D5.2
Net-(D6-Pad2): length 4.5
  Bottom w0.2: K6.2 179.39,131.45 D6.2
Net-(D7-Pad2): length 4.5
  Bottom w0.2: D7.2 198.44,131.45 K7.2
Net-(D8-Pad2): length 4.5
  Bottom w0.2: D8.2 217.49,131.45 K8.2
Net-(D9-Pad2): length 4.5
  Bottom w0.2: K9.2 236.54,131.45 D9.2
Net-(D10-Pad2): length 4.5
  Bottom w0.2: D10.2 346.07,131.45 K10.2
Net-(D11-Pad2): length 4.5
  Bottom w0.2: D11.2 365.12,131.45 K11.2
Net-(D12-Pad2): length 4.5
  Bottom w0.2: K12.2 384.18,131.45 D12.2
Net-(D13-Pad2): length 4.5
  Bottom w0.2: D13.2 93.66,112.4 K13.2
Net-(D14-Pad2): length 4.5
  Bottom w0.2: D14.2 112.71,112.4 K14.2
Net-(D15-Pad2): length 4.5
  Bottom w0.2: D15.2 131.76,112.4 K15.2
Net-(D16-Pad2): length 4.5
  Bottom w0.2: K16.2 150.81,112.4 D16.2
Net-(D17-Pad2): length 4.5
  Bottom w0.2: D17.2 179.39,112.4 K17.2
Net-(D18-Pad2): length 4.5
  Bottom w0.2: K18.2 198.44,112.4 D18.2
Net-(D19-Pad2): length 4.5
  Bottom w0.2: K19.2 217.49,112.4 D19.2
Net-(D20-Pad2): length 4.5
  Bottom w0.2: D20.2 236.54,112.4 K20.2
Net-(D21-Pad2): length 4.5
  Bottom w0.2: K21.2 265.11,112.4 D21.2
Net-(D22-Pad2): length 4.5
  Bottom w0.2: D22.2 284.16,112.4 K22.2
Net-(D23-Pad2): length 4.5
  Bottom w0.2: D23.2 303.21,112.4 K23.2
Net-(D24-Pad2): length 4.5
  Bottom w0.2: D24.2 322.26,112.4 K24.2
Net-(D25-Pad2): length 4.5
  Bottom w0.2: D25.2 346.07,112.4 K25.2
Net-(D26-Pad2): length 4.5
  Bottom w0.2: K26.2 365.12,112.4 D26.2
Net-(D27-Pad2): length 4.5
  Bottom w0.2: D27.2 384.18,112.4 K27.2
Net-(D28-Pad2): length 4.5
  Bottom w0.2: D28.2 12.7,83.82 K28.2
Net-(D29-Pad2): length 4.5
  Bottom w0.2: K29.2 31.75,83.82 D29.2
Net-(D30-Pad2): length 4.5
  Bottom w0.2: D30.2 55.56,83.82 K30.2
Net-(D31-Pad2): length 4.5
  Bottom w0.2: K31.2 74.61,83.82 D31.2
Net-(D32-Pad2): length 4.5
  Bottom w0.2: D32.2 93.66,83.82 K32.2
Net-(D33-Pad2): length 4.5
  Bottom w0.2: D33.2 112.71,83.82 K33.2
Net-(D34-Pad2): length 4.5
  Bottom w0.2: D34.2 131.76,83.82 K34.2
Net-(D35-Pad2): length 4.5
  Bottom w0.2: D35.2 150.81,83.82 K35.2
Net-(D36-Pad2): length 4.5
  Bottom w0.2: K36.2 169.86,83.82 D36.2
Net-(D37-Pad2): length 4.5
  Bottom w0.2: K37.2 188.91,83.82 D37.2
Net-(D38-Pad2): length 4.5
  Bottom w0.2: D38.2 207.96,83.82 K38.2
Net-(D39-Pad2): length 4.5
  Bottom w0.2: D39.2 227.01,83.82 K39.2
